# KiCad board DecentUSB.kicad_pcb
title: DecentKL; date: 2024-05-03; rev: 1; company: Decent Consulting
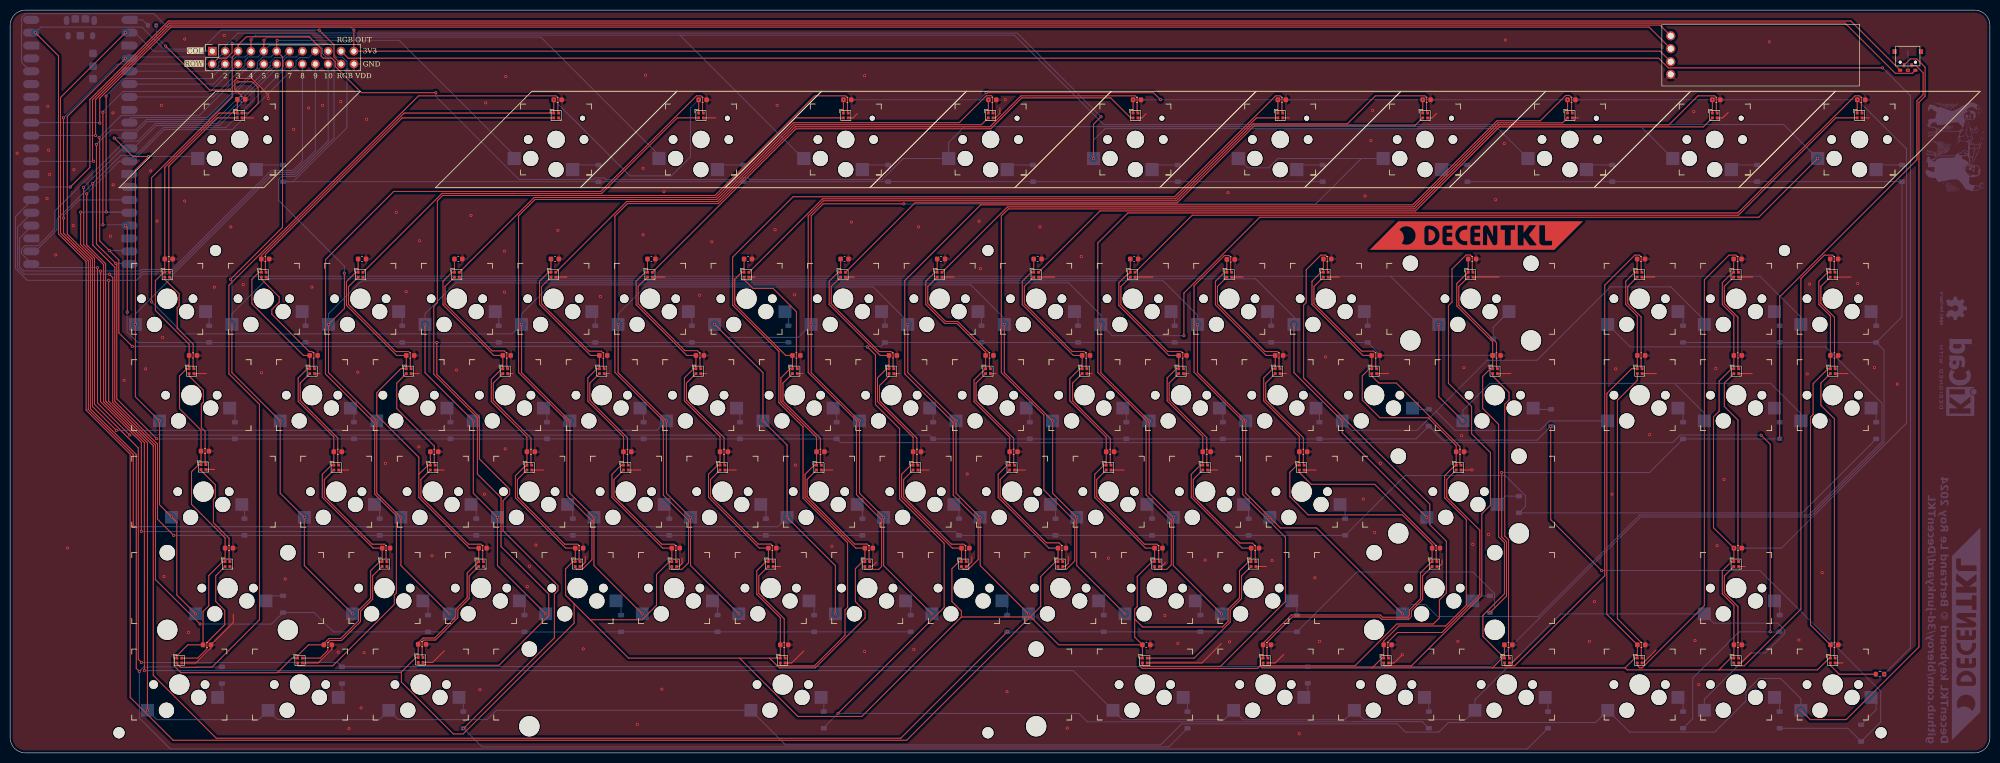
[diagram p0: board, top side]
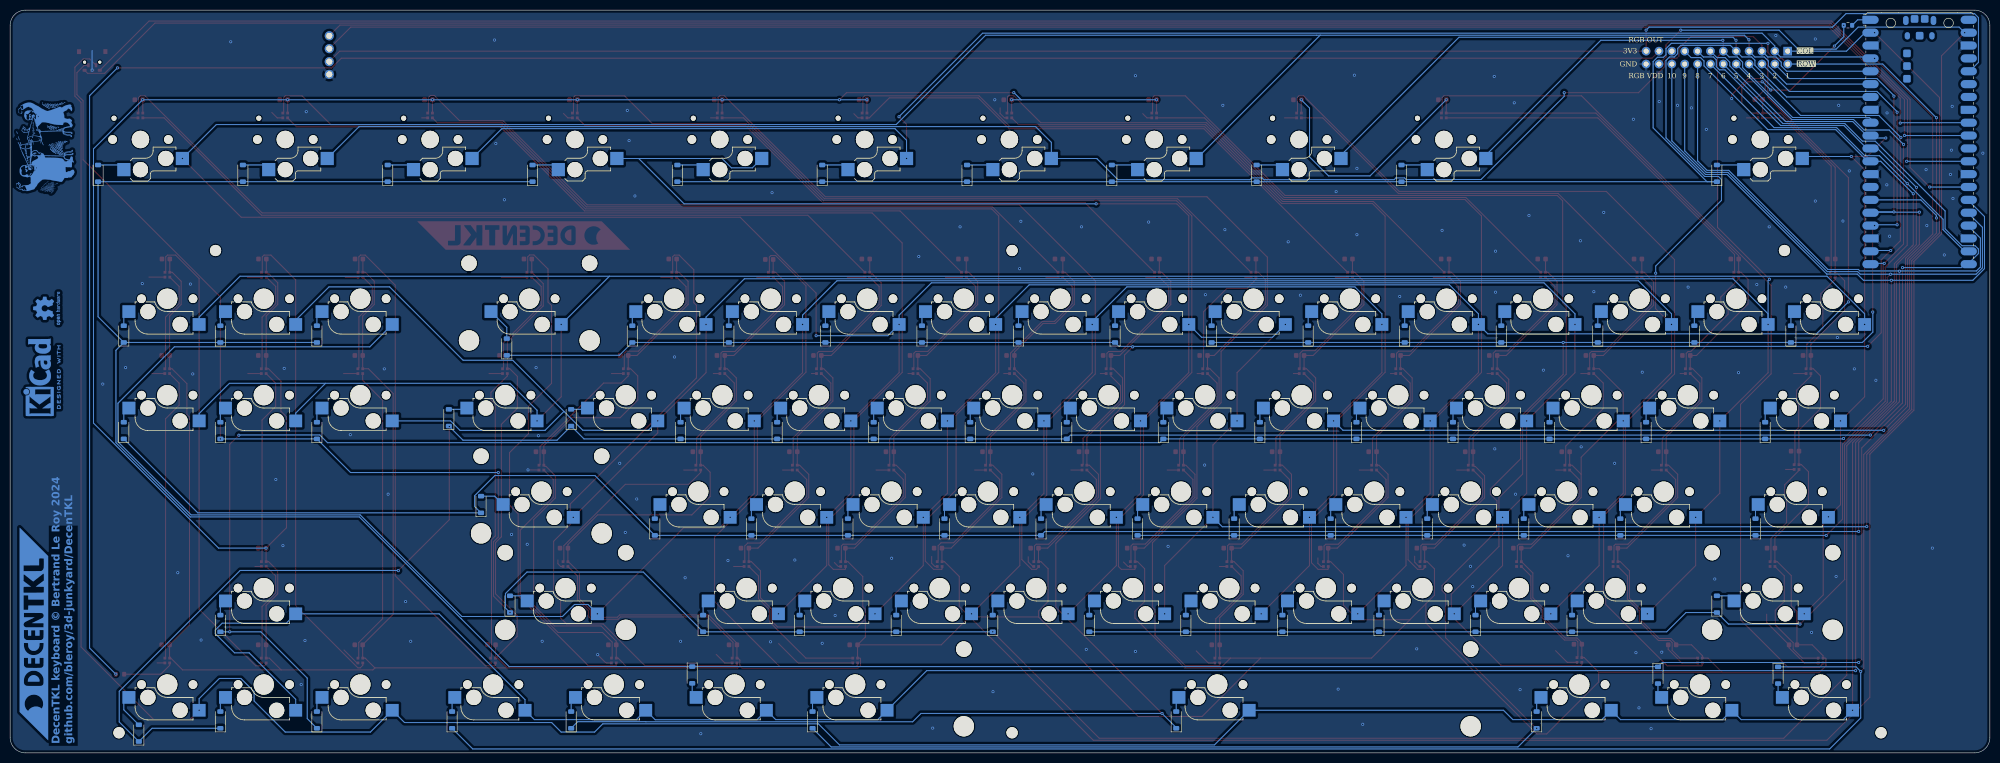
[diagram p1: board, bottom side, seen from below]

Outline 390.61 x 146.69 mm; copper layers: Top, Bottom. Coordinates in mm from the lower left corner of the outline.
Outline path: 0,143.69 arc(0.88,145.82) 3,146.69 387.61,146.69 arc(389.73,145.82) 390.61,143.69 390.61,3 arc(389.73,0.88) 387.61,0 3,0 arc(0.88,0.88) 0,3 0,143.69

## Placement (name value [footprint] x y rotation side)
C1  104  [C_0603_1608Metric]  31.29 97.54 0 top
C2  104  [C_0603_1608Metric]  50.34 97.54 0 top
C3  104  [C_0603_1608Metric]  36.09 78.49 0 top
C4  104  [C_0603_1608Metric]  69.44 97.54 0 top
C5  104  [C_0603_1608Metric]  88.44 97.54 0 top
C6  104  [C_0603_1608Metric]  107.49 97.54 0 top
C7  104  [C_0603_1608Metric]  126.54 97.54 0 top
C8  104  [C_0603_1608Metric]  145.59 97.54 0 top
C9  104  [C_0603_1608Metric]  164.64 97.54 0 top
C10  104  [C_0603_1608Metric]  183.69 97.54 0 top
C11  104  [C_0603_1608Metric]  202.74 97.54 0 top
C12  104  [C_0603_1608Metric]  221.79 97.54 0 top
C13  104  [C_0603_1608Metric]  240.84 97.45 0 top
C14  104  [C_0603_1608Metric]  259.89 97.54 0 top
C15  104  [C_0603_1608Metric]  288.46 97.54 0 top
C16  104  [C_0603_1608Metric]  321.79 97.54 0 top
C17  104  [C_0603_1608Metric]  340.84 97.54 0 top
C18  104  [C_0603_1608Metric]  359.89 97.54 0 top
C19  104  [C_0603_1608Metric]  340.88 78.49 0 top
C20  104  [C_0603_1608Metric]  321.82 78.49 0 top
C21  104  [C_0603_1608Metric]  359.93 78.49 0 top
C22  104  [C_0603_1608Metric]  59.89 78.49 0 top
C23  104  [C_0603_1608Metric]  78.94 78.49 0 top
C24  104  [C_0603_1608Metric]  97.99 78.49 0 top
C25  104  [C_0603_1608Metric]  117.04 78.49 0 top
C26  104  [C_0603_1608Metric]  136.09 78.49 0 top
C27  104  [C_0603_1608Metric]  155.14 78.49 0 top
C28  104  [C_0603_1608Metric]  174.19 78.49 0 top
C29  104  [C_0603_1608Metric]  193.24 78.49 0 top
C30  104  [C_0603_1608Metric]  212.29 78.49 0 top
C31  104  [C_0603_1608Metric]  231.34 78.49 0 top
C32  104  [C_0603_1608Metric]  250.39 78.49 0 top
C33  104  [C_0603_1608Metric]  269.44 78.49 0 top
C34  104  [C_0603_1608Metric]  293.29 78.49 0 top
C35  104  [C_0603_1608Metric]  38.44 59.59 0 top
C36  104  [C_0603_1608Metric]  64.64 59.48 0 top
C37  104  [C_0603_1608Metric]  83.69 59.48 0 top
C38  104  [C_0603_1608Metric]  102.74 59.48 0 top
C39  104  [C_0603_1608Metric]  121.79 59.48 0 top
C40  104  [C_0603_1608Metric]  140.84 59.48 0 top
C41  104  [C_0603_1608Metric]  159.89 59.48 0 top
C42  104  [C_0603_1608Metric]  178.94 59.48 0 top
C43  104  [C_0603_1608Metric]  197.99 59.48 0 top
C44  104  [C_0603_1608Metric]  217.04 59.48 0 top
C45  104  [C_0603_1608Metric]  236.09 59.48 0 top
C46  104  [C_0603_1608Metric]  255.14 59.48 0 top
C47  104  [C_0603_1608Metric]  286.09 59.48 0 top
C48  104  [C_0603_1608Metric]  43.19 40.44 0 top
C49  104  [C_0603_1608Metric]  74.19 40.44 0 top
C50  104  [C_0603_1608Metric]  93.24 40.44 0 top
C51  104  [C_0603_1608Metric]  112.29 40.44 0 top
C52  104  [C_0603_1608Metric]  131.34 40.44 0 top
C53  104  [C_0603_1608Metric]  150.39 40.44 0 top
C54  104  [C_0603_1608Metric]  169.44 40.44 0 top
C55  104  [C_0603_1608Metric]  188.49 40.44 0 top
C56  104  [C_0603_1608Metric]  207.54 40.44 0 top
C57  104  [C_0603_1608Metric]  226.59 40.44 0 top
C58  104  [C_0603_1608Metric]  245.64 40.44 0 top
C59  104  [C_0603_1608Metric]  281.34 40.44 0 top
C60  104  [C_0603_1608Metric]  340.89 40.44 0 top
C61  104  [C_0603_1608Metric]  340.89 21.34 0 top
C62  104  [C_0603_1608Metric]  321.84 21.34 0 top
C63  104  [C_0603_1608Metric]  359.94 21.34 0 top
C64  104  [C_0603_1608Metric]  38.84 21.34 0 top
C65  104  [C_0603_1608Metric]  62.69 21.34 0 top
C66  104  [C_0603_1608Metric]  81.29 21.45 0 top
C67  104  [C_0603_1608Metric]  152.74 21.34 0 top
C68  104  [C_0603_1608Metric]  295.61 21.34 0 top
C69  104  [C_0603_1608Metric]  271.8 21.34 0 top
C70  104  [C_0603_1608Metric]  247.99 21.34 0 top
C71  104  [C_0603_1608Metric]  224.19 21.34 0 top
C72  104  [C_0603_1608Metric]  108.04 128.99 0 top
C73  104  [C_0603_1608Metric]  45.61 129.06 0 top
C74  104  [C_0603_1608Metric]  136.64 128.99 0 top
C75  104  [C_0603_1608Metric]  165.19 128.99 0 top
C76  104  [C_0603_1608Metric]  193.79 128.99 0 top
C77  104  [C_0603_1608Metric]  222.34 128.99 0 top
C78  104  [C_0603_1608Metric]  250.91 128.99 0 top
C79  104  [C_0603_1608Metric]  279.49 128.99 0 top
C80  104  [C_0603_1608Metric]  308.06 128.99 0 top
C81  104  [C_0603_1608Metric]  336.64 128.99 0 top
C82  104  [C_0603_1608Metric]  365.24 128.99 0 top
D1  1N4148W  [D_SOD-123]  39.26 82.71 90 bottom
D2  SK6805  [SK6809-EC15]  30.99 94.44 0 top
D3  1N4148W  [D_SOD-123]  58.31 82.71 90 bottom
D4  SK6805  [SK6809-EC15]  50.04 94.44 0 top
D5  1N4148W  [D_SOD-123]  44.34 63.66 90 bottom
D6  SK6805  [SK6809-EC15]  35.79 75.39 0 top
D7  1N4148W  [D_SOD-123]  77.36 82.71 90 bottom
D8  SK6805  [SK6809-EC15]  69.14 94.44 0 top
D9  1N4148W  [D_SOD-123]  96.41 82.71 90 bottom
D10  SK6805  [SK6809-EC15]  88.14 94.44 0 top
D11  1N4148W  [D_SOD-123]  115.45 82.71 90 bottom
D12  SK6805  [SK6809-EC15]  107.19 94.44 0 top
D13  1N4148W  [D_SOD-123]  134.5 82.71 90 bottom
D14  SK6805  [SK6809-EC15]  126.24 94.44 0 top
D15  1N4148W  [D_SOD-123]  153.56 82.71 90 bottom
D16  SK6805  [SK6809-EC15]  145.29 94.44 0 top
D17  1N4148W  [D_SOD-123]  172.61 82.71 90 bottom
D18  SK6805  [SK6809-EC15]  164.34 94.44 0 top
D19  1N4148W  [D_SOD-123]  191.65 82.71 90 bottom
D20  SK6805  [SK6809-EC15]  183.39 94.44 0 top
D21  1N4148W  [D_SOD-123]  210.7 82.71 90 bottom
D22  SK6805  [SK6809-EC15]  202.44 94.44 0 top
D23  1N4148W  [D_SOD-123]  229.75 82.71 90 bottom
D24  SK6805  [SK6809-EC15]  221.49 94.44 0 top
D25  1N4148W  [D_SOD-123]  248.81 82.71 90 bottom
D26  SK6805  [SK6809-EC15]  240.54 94.44 0 top
D27  1N4148W  [D_SOD-123]  267.85 82.71 90 bottom
D28  SK6805  [SK6809-EC15]  259.59 94.44 0 top
D29  1N4148W  [D_SOD-123]  292.62 80.17 90 bottom
D30  SK6805  [SK6809-EC15]  288.16 94.44 0 top
D31  1N4148W  [D_SOD-123]  330.08 82.71 90 bottom
D32  SK6805  [SK6809-EC15]  321.49 94.44 0 top
D33  1N4148W  [D_SOD-123]  349.13 82.71 90 bottom
D34  SK6805  [SK6809-EC15]  340.54 94.44 0 top
D35  1N4148W  [D_SOD-123]  368.19 82.71 90 bottom
D36  SK6805  [SK6809-EC15]  359.59 94.44 0 top
D37  1N4148W  [D_SOD-123]  349.13 63.66 90 bottom
D38  SK6805  [SK6809-EC15]  340.57 75.39 0 top
D39  1N4148W  [D_SOD-123]  330.08 63.66 90 bottom
D40  SK6805  [SK6809-EC15]  321.52 75.39 0 top
D41  1N4148W  [D_SOD-123]  368.19 63.66 90 bottom
D42  SK6805  [SK6809-EC15]  359.62 75.39 0 top
D43  1N4148W  [D_SOD-123]  67.83 63.66 90 bottom
D44  SK6805  [SK6809-EC15]  59.59 75.39 0 top
D45  1N4148W  [D_SOD-123]  86.88 63.66 90 bottom
D46  SK6805  [SK6809-EC15]  78.64 75.39 0 top
D47  1N4148W  [D_SOD-123]  105.93 63.66 90 bottom
D48  SK6805  [SK6809-EC15]  97.69 75.39 0 top
D49  1N4148W  [D_SOD-123]  124.98 63.66 90 bottom
D50  SK6805  [SK6809-EC15]  116.74 75.39 0 top
D51  1N4148W  [D_SOD-123]  144.03 63.66 90 bottom
D52  SK6805  [SK6809-EC15]  135.79 75.39 0 top
D53  1N4148W  [D_SOD-123]  163.08 63.66 90 bottom
D54  SK6805  [SK6809-EC15]  154.84 75.39 0 top
D55  1N4148W  [D_SOD-123]  182.13 63.66 90 bottom
D56  SK6805  [SK6809-EC15]  173.89 75.39 0 top
D57  1N4148W  [D_SOD-123]  201.18 63.66 90 bottom
D58  SK6805  [SK6809-EC15]  192.94 75.39 0 top
D59  1N4148W  [D_SOD-123]  220.23 63.66 90 bottom
D60  SK6805  [SK6809-EC15]  211.99 75.39 0 top
D61  1N4148W  [D_SOD-123]  239.28 63.66 90 bottom
D62  SK6805  [SK6809-EC15]  231.04 75.39 0 top
D63  1N4148W  [D_SOD-123]  258.33 63.66 90 bottom
D64  SK6805  [SK6809-EC15]  250.09 75.39 0 top
D65  1N4148W  [D_SOD-123]  279.92 66.2 90 bottom
D66  SK6805  [SK6809-EC15]  269.14 75.39 0 top
D67  1N4148W  [D_SOD-123]  304.05 66.2 90 bottom
D68  SK6805  [SK6809-EC15]  292.99 75.39 0 top
D69  1N4148W  [D_SOD-123]  46.24 44.61 90 bottom
D70  SK6805  [SK6809-EC15]  38.14 56.45 0 top
D71  1N4148W  [D_SOD-123]  72.91 44.61 90 bottom
D72  SK6805  [SK6809-EC15]  64.34 56.34 0 top
D73  1N4148W  [D_SOD-123]  91.96 44.61 90 bottom
D74  SK6805  [SK6809-EC15]  83.39 56.34 0 top
D75  1N4148W  [D_SOD-123]  111.01 44.61 90 bottom
D76  SK6805  [SK6809-EC15]  102.44 56.34 0 top
D77  1N4148W  [D_SOD-123]  130.06 44.61 90 bottom
D78  SK6805  [SK6809-EC15]  121.49 56.34 0 top
D79  1N4148W  [D_SOD-123]  149.11 44.61 90 bottom
D80  SK6805  [SK6809-EC15]  140.54 56.34 0 top
D81  1N4148W  [D_SOD-123]  168.16 44.61 90 bottom
D82  SK6805  [SK6809-EC15]  159.59 56.34 0 top
D83  1N4148W  [D_SOD-123]  187.21 44.61 90 bottom
D84  SK6805  [SK6809-EC15]  178.64 56.34 0 top
D85  1N4148W  [D_SOD-123]  206.26 44.61 90 bottom
D86  SK6805  [SK6809-EC15]  197.69 56.34 0 top
D87  1N4148W  [D_SOD-123]  225.31 44.61 90 bottom
D88  SK6805  [SK6809-EC15]  216.74 56.34 0 top
D89  1N4148W  [D_SOD-123]  244.36 44.61 90 bottom
D90  SK6805  [SK6809-EC15]  235.79 56.34 0 top
D91  1N4148W  [D_SOD-123]  263.41 44.61 90 bottom
D92  SK6805  [SK6809-EC15]  254.84 56.34 0 top
D93  1N4148W  [D_SOD-123]  297.7 49.05 90 bottom
D94  SK6805  [SK6809-EC15]  285.79 56.34 0 top
D95  1N4148W  [D_SOD-123]  53.86 29.37 90 bottom
D96  SK6805  [SK6809-EC15]  42.89 37.29 0 top
D97  1N4148W  [D_SOD-123]  82.44 25.56 90 bottom
D98  SK6805  [SK6809-EC15]  73.86 37.29 0 top
D99  1N4148W  [D_SOD-123]  101.48 25.56 90 bottom
D100  SK6805  [SK6809-EC15]  92.91 37.29 0 top
D101  1N4148W  [D_SOD-123]  120.54 25.56 90 bottom
D102  SK6805  [SK6809-EC15]  111.96 37.29 0 top
D103  1N4148W  [D_SOD-123]  139.58 25.56 90 bottom
D104  SK6805  [SK6809-EC15]  131.01 37.29 0 top
D105  1N4148W  [D_SOD-123]  158.63 25.56 90 bottom
D106  SK6805  [SK6809-EC15]  150.06 37.29 0 top
D107  1N4148W  [D_SOD-123]  177.69 25.56 90 bottom
D108  SK6805  [SK6809-EC15]  169.11 37.29 0 top
D109  1N4148W  [D_SOD-123]  196.74 25.56 90 bottom
D110  SK6805  [SK6809-EC15]  188.16 37.29 0 top
D111  1N4148W  [D_SOD-123]  215.79 25.56 90 bottom
D112  SK6805  [SK6809-EC15]  207.21 37.29 0 top
D113  1N4148W  [D_SOD-123]  234.83 25.56 90 bottom
D114  SK6805  [SK6809-EC15]  226.26 37.29 0 top
D115  1N4148W  [D_SOD-123]  253.88 25.56 90 bottom
D116  SK6805  [SK6809-EC15]  245.31 37.29 0 top
D117  1N4148W  [D_SOD-123]  291.99 29.37 90 bottom
D118  SK6805  [SK6809-EC15]  281.04 37.29 0 top
D119  1N4148W  [D_SOD-123]  349.13 25.56 90 bottom
D120  SK6805  [SK6809-EC15]  340.56 37.29 0 top
D121  1N4148W  [D_SOD-123]  349.13 6.51 90 bottom
D122  SK6805  [SK6809-EC15]  340.56 18.24 0 top
D123  1N4148W  [D_SOD-123]  330.08 6.51 90 bottom
D124  SK6805  [SK6809-EC15]  321.51 18.24 0 top
D125  1N4148W  [D_SOD-123]  365.22 3.89 90 bottom
D126  SK6805  [SK6809-EC15]  359.61 18.24 0 top
D127  1N4148W  [D_SOD-123]  41.79 15.34 270 bottom
D128  SK6805  [SK6809-EC15]  33.39 18.24 0 top
D129  1N4148W  [D_SOD-123]  65.49 15.34 270 bottom
D130  SK6805  [SK6809-EC15]  57.19 18.24 0 top
D131  1N4148W  [D_SOD-123]  89.42 6.51 90 bottom
D132  SK6805  [SK6809-EC15]  80.99 18.35 0 top
D133  1N4148W  [D_SOD-123]  160.54 6.51 90 bottom
D134  SK6805  [SK6809-EC15]  152.44 18.24 0 top
D135  1N4148W  [D_SOD-123]  303.41 6.51 90 bottom
D136  SK6805  [SK6809-EC15]  295.34 18.24 0 top
D137  1N4148W  [D_SOD-123]  279.92 6.51 90 bottom
D138  SK6805  [SK6809-EC15]  271.49 18.24 0 top
D139  1N4148W  [D_SOD-123]  256.04 15.39 270 bottom
D140  SK6805  [SK6809-EC15]  247.69 18.24 0 top
D141  1N4148W  [D_SOD-123]  232.3 6.51 90 bottom
D142  SK6805  [SK6809-EC15]  223.89 18.24 0 top
D143  1N4148W  [D_SOD-123]  116.09 114.46 90 bottom
D144  SK6805  [SK6809-EC15]  107.74 125.89 0 top
D145  1N4148W  [D_SOD-123]  53.86 114.46 90 bottom
D146  SK6805  [SK6809-EC15]  45.29 125.89 0 top
D147  1N4148W  [D_SOD-123]  144.67 114.46 90 bottom
D148  SK6805  [SK6809-EC15]  136.31 125.89 0 top
D149  1N4148W  [D_SOD-123]  173.24 114.46 90 bottom
D150  SK6805  [SK6809-EC15]  164.89 125.89 0 top
D151  1N4148W  [D_SOD-123]  201.81 114.46 90 bottom
D152  SK6805  [SK6809-EC15]  193.46 125.89 0 top
D153  1N4148W  [D_SOD-123]  230.39 114.46 90 bottom
D154  SK6805  [SK6809-EC15]  222.04 125.89 0 top
D155  1N4148W  [D_SOD-123]  258.96 114.46 90 bottom
D156  SK6805  [SK6809-EC15]  250.61 125.89 0 top
D157  1N4148W  [D_SOD-123]  287.54 114.46 90 bottom
D158  SK6805  [SK6809-EC15]  279.19 125.89 0 top
D159  1N4148W  [D_SOD-123]  316.12 114.46 90 bottom
D160  SK6805  [SK6809-EC15]  307.76 125.89 0 top
D161  1N4148W  [D_SOD-123]  344.69 114.46 90 bottom
D162  SK6805  [SK6809-EC15]  336.34 125.89 0 top
D163  1N4148W  [D_SOD-123]  373.26 114.46 90 bottom
D164  SK6805  [SK6809-EC15]  364.91 125.89 0 top
G***  -  [LOGO]  289.3 102.19 0 top
G***#2  -  [LOGO]  385.94 23.49 90 bottom
G***#3  LOGO  [ScreamingAtTheRadio]  384.78 119.62 90 bottom
J1  Conn_01x24_Pin  [PinSocket_2x12_P2.54mm_Vertical]  39.89 138.59 90 top
R1  200Ω  [R_0603_1608Metric]  28 143.69 0 bottom
R2  200Ω  [R_0603_1608Metric]  368.94 15.54 0 top
REF**  -  [MountingHole_2.2mm_M2]  192.93 99.22 0 top
REF**#2  -  [MountingHole_2.2mm_M2]  21.48 3.97 0 top
REF**#3  -  [MountingHole_2.2mm_M2]  40.52 99.22 0 top
REF**#4  -  [MountingHole_2.2mm_M2]  369.14 3.97 0 top
REF**#5  -  [MountingHole_2.2mm_M2]  350.09 99.22 0 top
REF**#6  -  [MountingHole_2.2mm_M2]  192.93 3.97 0 top
REF**#7  -  [KiCad-Logo2_6mm_Copper]  385.01 74.18 90 bottom
REF**#8  -  [OSHW-Logo2_7.3x6mm_Copper]  383.32 87.8 90 bottom
SW1  RotaryEncoder_Switch  [GT-EVA01AA-L1]  374.42 136.66 0 top
SW2  SW_Push  [Kailh_socket_MX_1-00U]  31.63 85.88 0 top
SW3  SW_Push  [Kailh_socket_MX_1-00U]  50.69 85.88 0 top
SW4  SW_Push  [Kailh_socket_MX_1-50U]  36.4 66.83 0 top
SW5  SW_Push  [Kailh_socket_MX_1-00U]  69.73 85.88 0 top
SW6  SW_Push  [Kailh_socket_MX_1-00U]  88.78 85.88 0 top
SW7  SW_Push  [Kailh_socket_MX_1-00U]  107.83 85.88 0 top
SW8  SW_Push  [Kailh_socket_MX_1-00U]  126.89 85.88 0 top
SW9  SW_Push  [Kailh_socket_MX_1-00U]  145.94 85.88 0 top
SW10  SW_Push  [Kailh_socket_MX_1-00U]  164.99 85.88 0 top
SW11  SW_Push  [Kailh_socket_MX_1-00U]  184.04 85.88 0 top
SW12  SW_Push  [Kailh_socket_MX_1-00U]  203.08 85.88 0 top
SW13  SW_Push  [Kailh_socket_MX_1-00U]  222.13 85.88 0 top
SW14  SW_Push  [Kailh_socket_MX_1-00U]  241.19 85.88 0 top
SW15  SW_Push  [Kailh_socket_MX_1-00U]  260.24 85.88 0 top
SW16  SW_Push  [Kailh_socket_MX_2-00U]  288.81 85.88 0 top
SW17  SW_Push  [Kailh_socket_MX_1-00U]  322.15 85.88 0 top
SW18  SW_Push  [Kailh_socket_MX_1-00U]  341.2 85.88 0 top
SW19  SW_Push  [Kailh_socket_MX_1-00U]  360.25 85.88 0 top
SW20  SW_Push  [Kailh_socket_MX_1-00U]  341.2 66.83 0 top
SW21  SW_Push  [Kailh_socket_MX_1-00U]  322.15 66.83 0 top
SW22  SW_Push  [Kailh_socket_MX_1-00U]  360.25 66.83 0 top
SW23  SW_Push  [Kailh_socket_MX_1-00U]  60.21 66.83 0 top
SW24  SW_Push  [Kailh_socket_MX_1-00U]  79.26 66.83 0 top
SW25  SW_Push  [Kailh_socket_MX_1-00U]  98.31 66.83 0 top
SW26  SW_Push  [Kailh_socket_MX_1-00U]  117.36 66.83 0 top
SW27  SW_Push  [Kailh_socket_MX_1-00U]  136.41 66.83 0 top
SW28  SW_Push  [Kailh_socket_MX_1-00U]  155.46 66.83 0 top
SW29  SW_Push  [Kailh_socket_MX_1-00U]  174.51 66.83 0 top
SW30  SW_Push  [Kailh_socket_MX_1-00U]  193.56 66.83 0 top
SW31  SW_Push  [Kailh_socket_MX_1-00U]  212.61 66.83 0 top
SW32  SW_Push  [Kailh_socket_MX_1-00U]  231.66 66.83 0 top
SW33  SW_Push  [Kailh_socket_MX_1-00U]  250.71 66.83 0 top
SW34  SW_Push  [Kailh_socket_MX_1-00U]  269.76 66.83 0 top
SW35  SW_Push  [Kailh_socket_MX_1-50U]  293.57 66.83 0 top
SW36  SW_Push  [Kailh_socket_MX_1-75U]  38.78 47.78 0 top
SW37  SW_Push  [Kailh_socket_MX_1-00U]  64.97 47.78 0 top
SW38  SW_Push  [Kailh_socket_MX_1-00U]  84.02 47.78 0 top
SW39  SW_Push  [Kailh_socket_MX_1-00U]  103.07 47.78 0 top
SW40  SW_Push  [Kailh_socket_MX_1-00U]  122.12 47.78 0 top
SW41  SW_Push  [Kailh_socket_MX_1-00U]  141.17 47.78 0 top
SW42  SW_Push  [Kailh_socket_MX_1-00U]  160.22 47.78 0 top
SW43  SW_Push  [Kailh_socket_MX_1-00U]  179.27 47.78 0 top
SW44  SW_Push  [Kailh_socket_MX_1-00U]  198.32 47.78 0 top
SW45  SW_Push  [Kailh_socket_MX_1-00U]  217.37 47.78 0 top
SW46  SW_Push  [Kailh_socket_MX_1-00U]  236.42 47.78 0 top
SW47  SW_Push  [Kailh_socket_MX_1-00U]  255.47 47.78 0 top
SW48  SW_Push  [Kailh_socket_MX_2-25U]  286.43 47.78 0 top
SW49  SW_Push  [Kailh_socket_MX_2-25U]  43.54 28.73 0 top
SW50  SW_Push  [Kailh_socket_MX_1-00U]  74.5 28.73 0 top
SW51  SW_Push  [Kailh_socket_MX_1-00U]  93.55 28.73 0 top
SW52  SW_Push  [Kailh_socket_MX_1-00U]  112.6 28.73 0 top
SW53  SW_Push  [Kailh_socket_MX_1-00U]  131.65 28.73 0 top
SW54  SW_Push  [Kailh_socket_MX_1-00U]  150.7 28.73 0 top
SW55  SW_Push  [Kailh_socket_MX_1-00U]  169.75 28.73 0 top
SW56  SW_Push  [Kailh_socket_MX_1-00U]  188.8 28.73 0 top
SW57  SW_Push  [Kailh_socket_MX_1-00U]  207.85 28.73 0 top
SW58  SW_Push  [Kailh_socket_MX_1-00U]  226.9 28.73 0 top
SW59  SW_Push  [Kailh_socket_MX_1-00U]  245.95 28.73 0 top
SW60  SW_Push  [Kailh_socket_MX_2-75U]  281.67 28.73 0 top
SW61  SW_Push  [Kailh_socket_MX_1-00U]  341.2 28.73 0 top
SW62  SW_Push  [Kailh_socket_MX_1-00U]  341.2 9.68 0 top
SW63  SW_Push  [Kailh_socket_MX_1-00U]  322.15 9.68 0 top
SW64  SW_Push  [Kailh_socket_MX_1-00U]  360.25 9.68 0 top
SW65  SW_Push  [Kailh_socket_MX_1-25U]  34.02 9.68 0 top
SW66  SW_Push  [Kailh_socket_MX_1-25U]  57.83 9.68 0 top
SW67  SW_Push  [Kailh_socket_MX_1-25U]  81.64 9.68 0 top
SW68  SW_Push  [Kailh_socket_MX_6-25U]  153.08 9.68 0 top
SW69  SW_Push  [Kailh_socket_MX_1-25U]  295.95 9.68 0 top
SW70  SW_Push  [Kailh_socket_MX_1-25U]  272.14 9.68 0 top
SW71  SW_Push  [Kailh_socket_MX_1-25U]  248.33 9.68 0 top
SW72  SW_Push  [Kailh_socket_MX_1-25U]  224.52 9.68 0 top
SW73  SW_Push  [Kailh_socket_Choc_1-50U-XE]  105.22 116.29 0 top
SW74  SW_Push  [Kailh_socket_Choc_1-50U-XE]  42.79 116.29 0 top
SW75  SW_Push  [Kailh_socket_Choc_1-50U-XE]  133.8 116.29 0 top
SW76  SW_Push  [Kailh_socket_Choc_1-50U-XE]  162.37 116.29 0 top
SW77  SW_Push  [Kailh_socket_Choc_1-50U-XE]  190.95 116.29 0 top
SW78  SW_Push  [Kailh_socket_Choc_1-50U-XE]  219.52 116.29 0 top
SW79  SW_Push  [Kailh_socket_Choc_1-50U-XE]  248.1 116.29 0 top
SW80  SW_Push  [Kailh_socket_Choc_1-50U-XE]  276.67 116.29 0 top
SW81  SW_Push  [Kailh_socket_Choc_1-50U-XE]  305.25 116.29 0 top
SW82  SW_Push  [Kailh_socket_Choc_1-50U-XE]  333.82 116.29 0 top
SW83  SW_Push  [Kailh_socket_Choc_1-50U-XE]  362.4 116.29 0 top
U1  RaspberryPi_Pico  [RaspberryPi_Pico_W_SMD]  13.86 120.65 180 bottom
U2  ~  [SSD1306]  345.85 137.81 0 top

## Library data of the parts
C1-C82 = -: Description: Unpolarized capacitor; JLCPCB Part #: C83054; ki_fp_filters: C_*
D1 D3 D5 D7 D9 D11 D13 D15 D17 D19 D21 D23 D25 D27 D29 D31 D33 D35 D37 D39 D41 D43 D45 D47 D49 D51 D53 D55 D57 D59 D61 D63 D65 D67 D69 D71 D73 D75 D77 D79 D81 D83 D85 D87 D89 D91 D93 D95 D97 D99 D101 D103 D105 D107 D109 D111 D113 D115 D117 D119 D121 D123 D125 D127 D129 D131 D133 D135 D137 D139 D141 D143 D145 D147 D149 D151 D153 D155 D157 D159 D161 D163 = -: Description: Diode; Sim.Device: D; Sim.Pins: 1=K 2=A; JLCPCB Part #: C181134; ki_fp_filters: TO-???* *_Diode_* *SingleDiode* D_*
D2 D4 D6 D8 D10 D12 D14 D16 D18 D20 D22 D24 D26 D28 D30 D32 D34 D36 D38 D40 D42 D44 D46 D48 D50 D52 D54 D56 D58 D60 D62 D64 D66 D68 D70 D72 D74 D76 D78 D80 D82 D84 D86 D88 D90 D92 D94 D96 D98 D100 D102 D104 D106 D108 D110 D112 D114 D116 D118 D120 D122 D124 D126 D128 D130 D132 D134 D136 D138 D140 D142 D144 D146 D148 D150 D152 D154 D156 D158 D160 D162 D164 = -: Datasheet: https://cdn-shop.adafruit.com/product-files/3484/3484_Datasheet.pdf; Description: RGB LED with integrated controller; JLCPCB Part #: C2909055; JLCPCB Rotation Offset: 0; ki_fp_filters: LED*SK6805*PLCC*2.4x2.7mm*P1.3mm*
J1 = -: Description: Generic connector, single row, 01x24, script generated; ki_fp_filters: Connector*:*_1x??_*
R1 R2 = -: Description: Resistor; JLCPCB Part #: C2907123; ki_fp_filters: R_*
SW1 = -: Description: Rotary encoder, dual channel, incremental quadrate outputs, with switch; JLC Ref: C17702124; JLCPCB Part #: C17702124; ki_fp_filters: RotaryEncoder*Switch*
SW2-SW72 = -: Description: Push button switch, generic, two pins; JLCPCB Part #: C5333465
SW73-SW83 = -: Description: Push button switch, generic, two pins; JLC Part#: C5333465; JLCPCB Part #: C5333465
U1 = -: Datasheet: https://datasheets.raspberrypi.com/pico/pico-datasheet.pdf; Description: Versatile and inexpensive microcontroller module (with full pinout for reflow soldering) powered by RP2040 dual-core Arm Cortex-M0+ processor up to 133 MHz, 264kB SRAM, 2MB QSPI flash; JLCPCB Part #: C7203003; Field6: Keep Out; Field7: Board Keep Out USB Cable; Field8: USB Cable; Field9: Board Keep Out USB Cable; ki_fp_filters: RaspberryPi_Pico_Common* RaspberryPi_Pico_Original*
